# Altium PCB AutoinformerPCB.PcbDoc (part 2 of 3)
Units mm, origin at the board's own origin, x right, y up, seen from the top; angles counter-clockwise.
Board outline 176 x 90 mm, 2 copper layers (Top Layer, Bottom Layer); 272 components, 172 nets, 929 pads, 276 vias.
Unrouted connection lines stored in the file: 2.
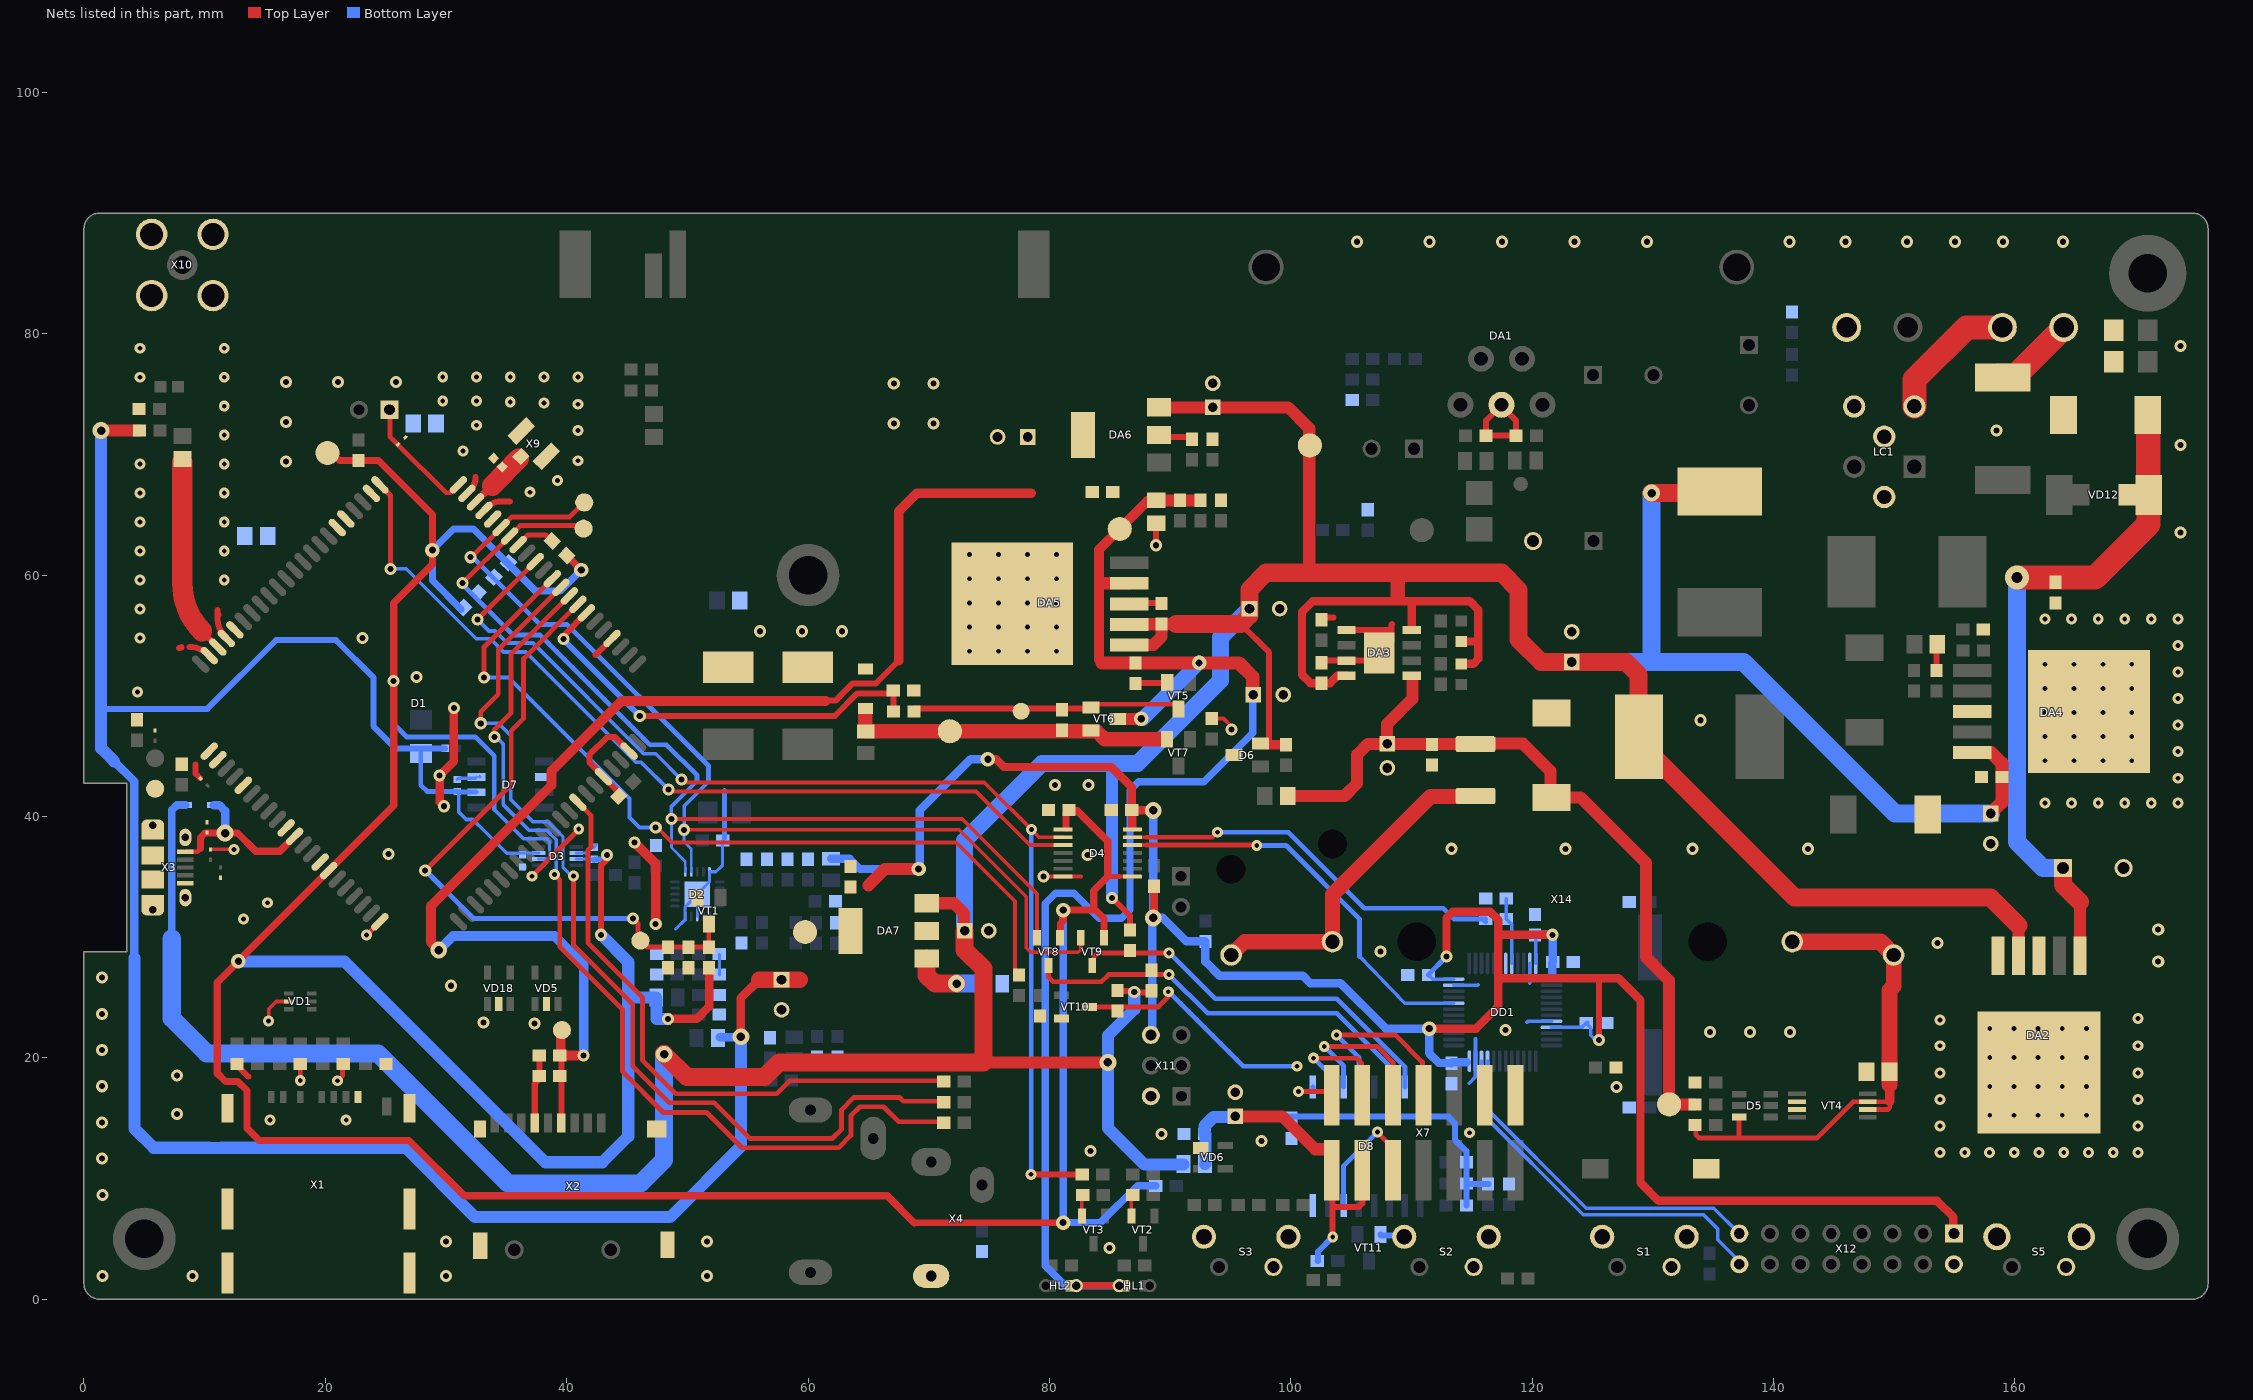
[diagram p2: the nets of this part, all layers, seen from the top]

## Part data
ANT1: library part 146200-0001(11), "LTE Cellular Ceramic Antenna 698MHz-2.7GHz , SMT", ComponentLink1Description=elitan, ComponentLink1URL=https://www.elitan.ru/price/item17428368
BC1 BC2 BC3 BC4: library part BodyConnector
C1 C11 C12 C13 C24 C28: library part C_SMD, "GRM188R60J475KE19D", ComponentLink1Description=chipdip, ComponentLink1URL=https://www.chipdip.ru/product/grm188r60j475ke19d, ComponentLink2Description=el, ComponentLink2URL=https://www.electronshik.ru/item/MUR/GRM188R60J475KE19D
C2 C3 C8 C14 C15 C16 C32 C34 C35 C40 C45 C46 C47 C48 C49 C52 C53 C54 C59 C61 C67 C68 C71 C76 C77 C79 C82: library part C_SMD, "GRM188R71H104KA93D", ComponentLink1Description=chipdip, ComponentLink1URL=https://www.chipdip.ru/product0/226236018, ComponentLink2Description=el, ComponentLink2URL=https://www.electronshik.ru/item/MUR/GRM188R71H104KA93D
C4 C6 C17 C18 C29: library part C_SMD, "GRM1885C1H100J", ComponentLink1Description=chipdip, ComponentLink1URL=https://www.chipdip.ru/product/grm1885c1h100j, ComponentLink2Description=el, ComponentLink2URL=https://www.electronshik.ru/item/MUR/GRM1885C1H100JA01D
C5 C7 C9 C50 C51: library part C_SMD, "GRM1885C1H220JA01D", ComponentLink1Description=chipdip, ComponentLink1URL=https://www.chipdip.ru/product/grm1885c1h220j, ComponentLink2Description=el, ComponentLink2URL=https://www.electronshik.ru/item/MUR/GRM1885C1H220JA01D
C10: library part C_SMD, "GRM188R71H103K", ComponentLink1Description=chipdip, ComponentLink1URL=https://www.chipdip.ru/product0/9000143994, ComponentLink2Description=el, ComponentLink2URL=https://www.electronshik.ru/item/MUR/GRM188R71H103KA01D
C19 C20 C44: library part C_SMD, "GRM1885C1H330J", ComponentLink1Description=chipdip, ComponentLink1URL=https://www.chipdip.ru/product0/565764982, ComponentLink2Description=el, ComponentLink2URL=https://www.electronshik.ru/item/MUR/GRM1885C1H330JA01D
C21: library part C_SMD, "GRM1885C1H101J", ComponentLink1Description=chipdip-100pf, ComponentLink1URL=https://www.chipdip.ru/product0/305749128, ComponentLink2Description=el, ComponentLink2URL=https://www.electronshik.ru/item/MUR/GRM1885C1H101JA01D
C22 C23 C25 C63: library part C_SMD, "GRM188R71E105KA12D", ComponentLink1Description=chipdip, ComponentLink1URL=https://www.chipdip.ru/product/grm188r71e105ka12d, ComponentLink2Description=el, ComponentLink2URL=https://www.electronshik.ru/item/MUR/GRM188R71E105KA12D
C26 C27: library part C_SMD_Tantalum, "293D477X06R3E2TE3 / Конденсатор танталовый SMD тип Е", ComponentLink1Description=470uF-10V-chipdip, ComponentLink1URL=https://www.chipdip.ru/product0/145634327?from=suggest_product, ComponentLink2Description=el, ComponentLink2URL=https://www.electronshik.ru/item/VISHAY/293D477X06R3E2TE3
C30: library part C_SMD, "GRM31MR71E105KA01L", ComponentLink1Description=chipdip, ComponentLink1URL=https://www.chipdip.ru/product/grm31mr71e105k, ComponentLink2Description=el, ComponentLink2URL=https://www.electronshik.ru/item/MUR/GRM31MR71E105KA01L
C31: library part C_SMD_Tantalum, "TAJB106K016RNJ / Конденсатор танталовый SMD 10uF 10V тип B", ComponentLink1Description=chipdip, ComponentLink1URL=https://www.chipdip.ru/product0/146061461?from=suggest_product, ComponentLink2Description=el, ComponentLink2URL=https://www.electronshik.ru/item/AVX/TAJB106K016RNJ
C33 C80 C81: library part C_SMD, "CL05B104KO5NNNC", ComponentLink1Description=chipdip, ComponentLink1URL=https://www.chipdip.ru/product1/8001849671?from=suggest_product, ComponentLink2Description=el, ComponentLink2URL=https://www.electronshik.ru/item/SAMSUNG/CL05B104KO5NNNC
C36: library part C_SMD, "CC0603KRX7R9BB393", ComponentLink1Description=chipdip, ComponentLink1URL=https://www.chipdip.ru/product0/8160066189?from=suggest_product, ComponentLink2Description=elitan, ComponentLink2URL=https://www.elitan.ru/price/item8778633, ComponentLink3Description=el, ComponentLink3URL=https://www.electronshik.ru/item/YAG/CC0603KRX7R9BB393
C37: library part K50-35, "Конденсатор электролитический алюминиевый 470мкФ, 16В 8х12мм Р:3.5мм", ComponentLink1Description=chipdip, ComponentLink1URL=https://www.chipdip.ru/product0/9000565914
C38 C39: library part K50-35, "Конденсатор электролитический алюминиевый 1000мкФ, 16В, 10x21мм", ComponentLink1Description=chipdip, ComponentLink1URL=https://www.chipdip.ru/product0/9000565765?from=suggest_product
C41: library part C_SMD, "GRM21A5C2E220J", ComponentLink1Description=chipdip, ComponentLink1URL=https://www.chipdip.ru/product0/29844, ComponentLink2Description=el, ComponentLink2URL=https://www.electronshik.ru/item/MUR/GRM21A5C2E220JW01D
C42 C43: library part C_SMD, "0603 SMD Capacitor"
C55: library part C_SMD, "C1206C101KGRACAUTO (CC1206JKNPODBN101)", ComponentLink1Description=elitan, ComponentLink1URL=https://www.elitan.ru/price/item16896874, ComponentLink2Description=el, ComponentLink2URL=https://www.electronshik.ru/item/KEM/C1206C101KGRACAUTO, ComponentLink3Description=el2, ComponentLink3URL=https://www.electronshik.ru/item/YAG/CC1206JKNPODBN101
C56: library part K50-35, "SH050M0220B5S-1012 ECAP 10*12 / Конденсатор электролитический алюминиевый", ComponentLink1Description=chipdip, ComponentLink1URL=https://www.chipdip.ru/product0/9000565903, ComponentLink2Description=el, ComponentLink2URL=https://www.electronshik.ru/item/YAG/SH050M0220B5S-1012
C57 C64: library part C_SMD, "GRM188R61E106M", ComponentLink1Description=chipdip, ComponentLink1URL=https://www.chipdip.ru/product/grm188r61e106m, ComponentLink2Description=el, ComponentLink2URL=https://www.electronshik.ru/item/MUR/GRM188R61E106MA73D
C58: library part K50-35, "ECA1CM221 6.3x11 P:2,5мм Конденсатор электролитический алюминиевый", ComponentLink1Description=chipdip, ComponentLink1URL=https://www.chipdip.ru/product0/9000565899, ComponentLink2Description=el, ComponentLink2URL=https://www.electronshik.ru/item/PAN/ECA1CM221
C60 C69 C74 C75: library part K50-35, "ECA0JHG221 5x11мм Р:2,5мм Конденсатор электролитический алюминиевый", ComponentLink1URL=https://www.chipdip.ru/product0/9000261774?from=suggest_product, ComponentLink2Description=el, ComponentLink2URL=https://www.electronshik.ru/item/PAN/ECA0JHG221
  C60: ComponentLink1Description=chipdip
  C69 C74 C75: ComponentLink1Description="(К50-35 мини), 220 мкФ, 6.3 В, 6.3х7мм"
C62: library part K50-35, "SH016M0100A2F-0511 5x11мм Конденсатор электролитический алюминиевый", ComponentLink1Description=chipdip, ComponentLink1URL=https://www.chipdip.ru/product0/9000565888, ComponentLink2Description=el, ComponentLink2URL=https://www.electronshik.ru/item/YAG/SH016M0100A2F-0511
C65 C78: library part K50-35, "Конденсатор электролитический алюминиевый 33 мкФ, 6.3 В, 4х7мм", ComponentLink1Description="(К50-35 мини), 33 мкФ, 6.3 В, 4х7мм", ComponentLink1URL=https://www.chipdip.ru/product0/9000261769
C66: library part C_SMD, "C1608X7R1H474K080AC", ComponentLink1Description=chipdip, ComponentLink1URL=https://www.chipdip.ru/product0/8576565346, ComponentLink2Description=el, ComponentLink2URL=https://www.electronshik.ru/item/TDK/C1608X7R1H474K080AC
C70: library part K50-35, "Конденсатор электролитический алюминиевый 680мкФ, 25В, 10х16мм Р:5мм", ComponentLink1Description=chipdip, ComponentLink1URL=https://www.chipdip.ru/product0/9000565919
C72 C73: library part K50-35, "Конденсатор электролитический алюминиевый", ComponentLink1Description=chipdip-mini, ComponentLink1URL=https://www.chipdip.ru/product0/46079?from=suggest_product, ComponentLink2Description=chipdip, ComponentLink2URL=https://www.chipdip.ru/product0/9000565886
D1: "Multi-Band LTE-TDD/LTE-FDD/HSPA+ and GSM/GPRS/EDGE module", Package=None, Availability=Unavailable, ComponentLink1Description=mt-systems, ComponentLink1URL=http://www.mt-system.ru/SIMCom/SIM7600E-H, MF=Simcom, MP=SIM7600E-H, Price=None, SnapEDA_Link=https://www.snapeda.com/parts/SIM7600E-H/SIMcom%20Wireless%20solutions%20Co.%2CLtd/view-part/2758290/?ref=snap
D2: "AUDIO CODEC MONO 20QFN", Digikey Part Number=NAU8810YG-ND, Manufacturer="Nuvoton Technology Corporation", Package=QFN20, Temperature="-40°C to +85°C", Temperature Range High=+85°C, Temperature Range Low=-40°C, Voltage=3.6V, ComponentLink1Description=Upverter, ComponentLink1URL=https://upverter.com/upn/revision/eec1ccdac07fe113/, ComponentLink2Description=Datasheet, ComponentLink2URL=http://www.nuvoton.com/hq/resource-download.jsp?tp_GUID=DA00-NAU8810.1, ComponentLink3Description=elitan, ComponentLink3URL=https://www.elitan.ru/price/index.php?find=NAU8810YG&delay=-1&mfg=all&seenform=y, Digikey Description="IC AUDIO CODEC MONO 20QFN", helpURL=https://upverter.com/upn/revision/eec1ccdac07fe113/, Ipc Land Pattern Name=QFN50P400X400X75-20, Lead Free=yes, RoHS=TRUE, Supplier 1=Digi-Key, Supplier 2=Mouser, Supplier Part Number 1=NAU8810YG-ND
D3: library part TXB0102, "Voltage Level Translator Bidirectional 1 Circuit 2 Channel 100Mbps 8-VSSOP", Package="VFSOP-8 Texas Instruments", Availability=Unavailable, ComponentLink1Description=elitan, ComponentLink1URL=https://www.elitan.ru/price/item692394, ComponentLink2Description=chipdip, ComponentLink2URL=https://www.chipdip.ru/product0/8002872138?from=suggest_product, ComponentLink3Description=electronshik, ComponentLink3URL=https://www.electronshik.ru/item/TI/TXB0102DCUR, MF="Texas Instruments", MP=TXB0102, Price=None, SnapEDA_Link=https://www.snapeda.com/parts/TXB0102/Texas%20Instruments/view-part/547662/?ref=snap
D4: "4-Bit Bidirectional Voltage-Level Shifter with Auto Direction Sensing and +/-15 kV ESD Protect 14-TSSOP -40 to 85", Package="TSSOP-14 Texas Instruments", Availability=Unavailable, ComponentLink1Description=elitan, ComponentLink1URL=https://www.elitan.ru/price/item703962, MF="Texas Instruments", MP=TXB0104PWR, Price=None, SnapEDA_Link=https://www.snapeda.com/parts/TXB0104PWR/Texas%20Instruments/view-part/1077120/?ref=snap, Texas_Instruments-Purchase-URL=https://snapeda.com/shop?store=Texas+Instruments&id=1077120
D5: "Pushbutton Switch SPST-NC Standard Panel Mount, Front", Package="Package Analog Devices", Availability=Unavailable, ComponentLink1Description=elitan, ComponentLink1URL=https://www.elitan.ru/price/item379006536, ComponentLink2Description=electronshik, ComponentLink2URL=https://www.electronshik.ru/item/FUMAN/DW01A, MF="Fortune Semiconductor", MP=DW01A, Price=None, SnapEDA_Link=https://www.snapeda.com/parts/DW01A/Fortune%20Semiconductor/view-part/4388554/?ref=snap
D6: "4.50 V 150 ms Microcontroller Supervisory Circuit - SOT-23-3", Package="SOT-23 Microchip", Availability=Unavailable, ComponentLink1Description=elitan, ComponentLink1URL=https://www.elitan.ru/price/item505438, ComponentLink2Description=electronshik, ComponentLink2URL=https://www.electronshik.ru/item/MCRCH/MCP130T-450I%3A%3ATT, MF=Microchip, MP=MCP130T-315I/TT, Price=None, SnapEDA_Link=https://www.snapeda.com/parts/MCP130T-315I/TT/Microchip/view-part/12206/?ref=snap
D7: "PLL Clock Multiplier Single 8-Pin SOIC 3 V ~ 5.25 V", ComponentLink1Description=elitan, ComponentLink1URL=https://www.elitan.ru/price/item9787428, ComponentLink2Description=electronshik, ComponentLink2URL=https://www.electronshik.ru/item/ONS/NB3N501DG
D8: "8-bit I/O expander for I2C bus with interrupt / PCF8574(A)T/3 - 100kHz version / PCA8574(A)D - 400kHz version", Package=None, Availability=Unavailable, ComponentLink1Description=elitan, ComponentLink1URL=https://www.elitan.ru/price/item981552, ComponentLink2Description="elitan - pca8574D", ComponentLink2URL=https://www.elitan.ru/price/item537810, MF="NXP Semiconductors", MP=PCF8574AT, Price=None, SnapEDA_Link=https://www.snapeda.com/parts/PCF8574AT/NXP%20Semiconductors/view-part/4220694/?ref=snap
DA1: "Amplifier IC 1-Channel _Mono_ Class AB 5-PENTAWATT 10W", Package="Pentawatt-5 STMicroelectronics", Availability=Unavailable, ComponentLink1Description=elitan, ComponentLink1URL=https://www.elitan.ru/price/item123031, ComponentLink2Description=chipdip, ComponentLink2URL=https://www.chipdip.ru/product/tda2003v?from=suggest_product, ComponentLink3Description=chipdip-radiator, ComponentLink3URL=https://www.chipdip.ru/product/hs-117-30, MF=STMicroelectronics, MP=TDA2003V, Price=None, SnapEDA_Link=https://www.snapeda.com/parts/TDA2003V/STMicroelectronics/view-part/39407/?ref=snap
DA2: library part LM2576S, "Импульсный понижающий регулятор напряжения, 5В, 3А, [TO-263]", ComponentLink1Description=5V-chipdip, ComponentLink1URL=https://www.chipdip.ru/product/lm2576sx-5.0-nopb, ComponentLink2Description=5V-elitan, ComponentLink2URL=https://www.elitan.ru/price/item100181
DA3: "Li-lon Battery Charger  1A Standalone Linear with Thermal Regulation in SOP-8", Manufacturer_Name="NanJing Top Power", ComponentLink1Description=elitan, ComponentLink1URL=https://www.elitan.ru/price/item26170288, ComponentLink2Description=electonshik, ComponentLink2URL=https://www.electronshik.ru/item/YOUTAI/TP4056, Datasheet Link=https://dlnmh9ip6v2uc.cloudfront.net/datasheets/Prototyping/TP4056.pdf, Height=1.75mm, Manufacturer_Part_Number=TP4056
DA4: "Преобразователь постоянного тока повышающий 3 А вход 3.5...40В выход 5...60В -40...+125°С", ComponentLink1Description=elitan, ComponentLink1URL=https://www.elitan.ru/price/item100192
DA5: "3A Fast Response LDO Regulator / Operating Input Voltage Range: 3V to 16V / 1.24V to 15V Adjustable Output Voltage", ComponentLink1Description=elitan, ComponentLink1URL=https://www.elitan.ru/price/item637427, ComponentLink2Description=chipdip, ComponentLink2URL=https://www.chipdip.ru/product0/8000649332, ComponentLink3Description=electronshik, ComponentLink3URL=https://www.electronshik.ru/item/MCRCH/MIC29302WU
DA6: "LDO +1.25...13.8 В, 1А [SOT-223] / Линейный регулятор с низким падением напряжения, Максимальное входное напряжение, 20 В", ComponentLink1Description=chipdip, ComponentLink1URL=https://www.chipdip.ru/product/lm1117gs-adj, ComponentLink2Description=elitan, ComponentLink2URL=https://www.elitan.ru/price/item21580115
DA7: "LDO +3.3 В, 1А [SOT-223] / Линейный регулятор с низким падением напряжения, Максимальное входное напряжение, 20 В", ComponentLink1Description=chipdip, ComponentLink1URL=https://www.chipdip.ru/product/lm1117gs-3.3, ComponentLink2Description=elitan, ComponentLink2URL=https://www.elitan.ru/price/item21580113
DD1: "Analog - STM32L071C8T6 /  / Микроконтроллер 32-Бит, Cortex-M3, 32МГц, 128КБ Flash, LCD, USB, ADC, DAC [LQFP-48]", I/Os (High Current)=37, Operating Frequency(F) (Processor speed) (MHz)=72, PartNumber=STM32F103C8T6, Supplier Part Number 1=497-6063-ND, Supply Voltage(Vcc) min (V)=2, A/D Converter="2x12-bit (10 Channel)", ComponentLink1Description=elitan, ComponentLink1URL=https://www.elitan.ru/price/item11268663, ComponentLink2Description=chipdip, ComponentLink2URL=https://www.chipdip.ru/product/stm32l151cbt6a-2, Core="ARM Cortex-M3", DatasheetVersion="Rev. 16", FLASH Size (Prog) (kB)=64, Internal RAM Size (kB)=20, Mounting Technology="Surface Mount", PackageDescription="48-Pin Low Profile Quad Flat Package, 7 x 7 mm Body, 0.5 mm Pitch", PackageReference=LQFP48, PackageVersion="Rev. 6, 06/2013", Packing=Tray, Supplier 1=Digi-Key, Supplier 2=Farnell, Supplier 3=Newark, Supplier 4=Newark, Supplier 5=Mouser, Supplier Part Number 2=1447637, Supplier Part Number 3=59M2182, Supplier Part Number 4=57P1222, Supplier Part Number 5=511-STM32F103C8T6
F1: "Самовосстанавливающийся предохранитель PTC 1.8A(hold) 3.6A(trip) 33VDC 40A 1.9W 5s 0.04Ohm SMD 3425 Solder Pad 9.5 X 6.71 X 3mm", ComponentLink1Description=elitan, ComponentLink1URL=https://www.elitan.ru/price/item781521, ComponentLink2Description=chipdip, ComponentLink2URL=https://www.chipdip.ru/product0/8001787493?from=suggest_product
F2: "Предохранитель SMD 6 VDC 2.5 A", ComponentLink1Description=elitan, ComponentLink1URL=https://www.elitan.ru/price/item387111
HL1: library part LED_SMD, "Vf =2 V, 20mA, 0603 (HL-PST-1608S31YC)", ComponentLink1Description=chipdip-yellow-smd, ComponentLink1URL=https://www.chipdip.ru/product/to-1608bc-myf?from=suggest_product, ComponentLink2Description=chipdip-orange-thr3mm, ComponentLink2URL=https://www.chipdip.ru/product/gnl-3012ed, ComponentLink3Description=el, ComponentLink3URL=https://www.electronshik.ru/item/HONGLI/HL-PST-1608S31YC
HL2: library part LED_SMD, "Vf =2 V, 20mA, 0603 (HL-PST-1608S9AC)", ComponentLink1Description=chipdip-red-smd, ComponentLink1URL=https://www.chipdip.ru/product/to-1608bc-mre?from=suggest_product, ComponentLink2Description=elitan-red-smd, ComponentLink2URL=https://www.elitan.ru/price/item16986056, ComponentLink3Description=chipdip-orange-thr3mm, ComponentLink3URL=https://www.chipdip.ru/product/gnl-3012ed, ComponentLink4Description=el, ComponentLink4URL=https://www.electronshik.ru/item/HONGLI/HL-PST-1608S9AC-04
HL3: library part LED_SMD, "Vf =3.3V, 20mA, 0603 (HL-PST-1608U51GC)", ComponentLink1Description=chipdip-green-smd, ComponentLink1URL=https://www.chipdip.ru/product/to-1608bc-pg?from=suggest_product, ComponentLink2Description=elitan-green-smd, ComponentLink2URL=https://www.elitan.ru/price/item16986058, ComponentLink3Description=el, ComponentLink3URL=https://www.electronshik.ru/item/HONGLI/HL-PST-1608U51GC
HL4: library part LED_SMD, "Vf =3.3V, 20mA, 0603 (HL-PST-1608H203BC)", ComponentLink1Description=chipdip-blue-smd, ComponentLink1URL=https://www.chipdip.ru/product/to-1608bc-bf?from=suggest_product, ComponentLink2Description=elitan-blue-smd, ComponentLink2URL=https://www.elitan.ru/price/item16986057, ComponentLink3Description=el, ComponentLink3URL=https://www.electronshik.ru/item/HONGLI/HL-PST-1608H203BC
IND1: library part BLM21PG221SN1D, "0805, Дроссель подавления ЭМП 120Ohm 25% 100MHz 3A", ComponentLink1Description=120Ohm-3A-chipdip, ComponentLink1URL=https://www.chipdip.ru/product0/8228217893, ComponentLink2Description=120Ohm-3A-elitan, ComponentLink2URL=https://www.elitan.ru/price/item1364359
IND2 IND3 IND4 IND8 IND9: library part BLM21PG221SN1D, "0805, Дроссель подавления ЭМП 1KOhm 25% 100MHz 1.6A 0.12Ohm", ComponentLink1Description=chipdip, ComponentLink1URL=https://www.chipdip.ru/product/blm21sp102sn1d, ComponentLink2Description=elitan, ComponentLink2URL=https://www.elitan.ru/price/item21298136
IND5 IND7: "0805, Дроссель подавления ЭМП 220Ohm +25% 100MHz 2A 45mOhm", ComponentLink1Description=chipdip, ComponentLink1URL=https://www.chipdip.ru/product/blm21pg221sn1d, ComponentLink2Description=elitan, ComponentLink2URL=https://www.elitan.ru/price/item305175
IND6: library part BLM21PG221SN1D, "0805, Дроссель подавления ЭМП 100МГц:30Ом; 3А", ComponentLink1Description=chipdip, ComponentLink1URL=https://www.chipdip.ru/product/blm21pg300sn1d, ComponentLink2Description=elitan, ComponentLink2URL=https://www.elitan.ru/price/item310735
L1: "Чип индуктивность многослойная неэкранированная 47нГн 5% 100МГц / Maximum DC Current 300 mA / Maximum DC Resistance 700 mOhms", ComponentLink1Description=elitan, ComponentLink1URL=https://www.elitan.ru/price/item307313, ComponentLink2Description=chipdip, ComponentLink2URL=https://www.chipdip.ru/product/lqg18hn47nj?from=suggest_product
L2: "SMD индуктивность проволочная, на ферритовом сердечнике, экранированная 33uH 15% 1KHz 23Q-Factor Ferrite 2.8A 62mOhm", ComponentLink1Description=chipdip, ComponentLink1URL=https://www.chipdip.ru/product/srr1208-330yl?from=suggest_product, ComponentLink2Description=elitan, ComponentLink2URL=https://www.elitan.ru/price/item319349
L3: library part SRR1208-330YL, "SMD индуктивность проволочная, на ферритовом сердечнике, экранированная 33uH 15% 1KHz 23Q-Factor Ferrite 2.8A 62mOhm", ComponentLink1Description=chipdip, ComponentLink1URL=https://www.chipdip.ru/product1/8002012849?from=suggest_product, ComponentLink2Description=elitan, ComponentLink2URL=https://www.elitan.ru/price/item782382
LC1: "EMI фильтр индуктивно-емкостной 10A 150VDC 40дБ", ComponentLink1Description=elitan, ComponentLink1URL=https://www.elitan.ru/price/item279156, ComponentLink2Description=chipdip, ComponentLink2URL=https://www.chipdip.ru/product/bnx003-01?from=suggest_product
N1: "Print on PCB mask"
N2: library part SerialNumber, "Board Serial Number Placement"
R1 R2 R8 R9 R10 R11 R12 R13 R25 R32 R78: library part R_SMD, "RC0603JR-070RL", ComponentLink1Description=chipdip, ComponentLink1URL=https://www.chipdip.ru/product0/9000070541, ComponentLink2URL=https://www.electronshik.ru/item/YAG/RC0603JR-070RL
  R1: ComponentLink2Description=electronsshik
  R2 R9 R10 R11 R12 R13 R25 R32 R78: ComponentLink2Description=el
  R8: ComponentLink2Description=electronshik
R3 R73: library part R_SMD, "RC0603FR-0768RL", ComponentLink1Description=chipdip, ComponentLink1URL=https://www.chipdip.ru/product0/9000079612, ComponentLink2Description=el, ComponentLink2URL=https://www.electronshik.ru/item/YAG/RC0603FR-0768RL
R4 R5 R6 R27 R28 R31 R34 R35 R36 R38 R46 R47 R48 R49 R62 R74 R75 R79 R80 R81 R82: library part R_SMD, "RC0603FR-0710KL (CRCW060310K0FKEA)"
  R4 R5 R6 R34: ComponentLink1Description=chipdip, ComponentLink1URL=https://www.chipdip.ru/product0/9000079736, ComponentLink2Description=electronshik, ComponentLink2URL=https://www.electronshik.ru/item/VISHAY/CRCW060310K0FKEA
  R27 R28 R31 R35 R36 R38 R46 R47 R48 R49 R74 R75 R79 R80 R81 R82: ComponentLink1Description=chipdip, ComponentLink1URL=https://www.chipdip.ru/product0/9000079736, ComponentLink2Description=el, ComponentLink2URL=https://www.electronshik.ru/item/VISHAY/CRCW060310K0FKEA
  R62: ComponentLink1Description=el, ComponentLink1URL=https://www.electronshik.ru/item/VISHAY/CRCW060310K0FKEA
R14 R15 R16: library part R_SMD, "RC0603FR-0722RL (RC0603JR-0722RL)", ComponentLink1Description=chipdip, ComponentLink1URL=https://www.chipdip.ru/product0/9000079564, ComponentLink2Description=electronshik, ComponentLink2URL=https://www.electronshik.ru/item/FENGHUA/0603%20-22%20%D0%9E%D0%BC%205%25%20RC0603JR-0722RL%20%5BRS-03K220JT%5D
R17 R20 R21 R26 R29 R39: library part R_SMD, "RC0603FR-072K2L", ComponentLink1Description=chipdip, ComponentLink1URL=https://www.chipdip.ru/product0/9000079720, ComponentLink2Description=el, ComponentLink2URL=https://www.electronshik.ru/item/YAG/RC0603FR-072K2L
R18 R19 R55 R64 R67: library part R_SMD, "RC0603FR-071KL", ComponentLink1Description=chipdip, ComponentLink1URL=https://www.chipdip.ru/product0/9000079676, ComponentLink2Description=el, ComponentLink2URL=https://www.electronshik.ru/item/YAG/RC0603FR-071KL
R22 R23 R24 R44 R68: library part R_SMD, "RC0805JR-070RL", ComponentLink1Description=chipdip, ComponentLink1URL=https://www.chipdip.ru/product0/153356071, ComponentLink2Description=el, ComponentLink2URL=https://www.electronshik.ru/item/YAG/RC0805JR-070RL
R30 R40: library part R_SMD, "RC0603FR-07360RL", ComponentLink1Description=chipdip, ComponentLink1URL=https://www.chipdip.ru/product0/9000079629, ComponentLink2Description=el, ComponentLink2URL=https://www.electronshik.ru/item/YAG/RC0603FR-07360RL
R33: library part R_SMD, "RC0603FR-0722KL", ComponentLink1Description=chipdip, ComponentLink1URL=https://www.chipdip.ru/product0/9000079744, ComponentLink2Description=electronshik, ComponentLink2URL=https://www.electronshik.ru/item/YAG/RC0603FR-0722KL
R37: library part R_SMD, "RC0603FR-0739RL", ComponentLink1Description=chipdip, ComponentLink1URL=https://www.chipdip.ru/product0/9000079606, ComponentLink2Description=el, ComponentLink2URL=https://www.electronshik.ru/item/YAG/RC0603FR-0739RL
R41: library part R_SMD, "RC0603FR-0743RL", ComponentLink1Description=chipdip, ComponentLink1URL=https://www.chipdip.ru/product0/9000079607, ComponentLink2Description=el, ComponentLink2URL=https://www.electronshik.ru/item/YAG/RC0603FR-0743RL
R42: library part R_SMD, "RC0603FR-072R2L", ComponentLink1Description=chipdip, ComponentLink1URL=https://www.chipdip.ru/product0/9000079549, ComponentLink2Description=el, ComponentLink2URL=https://www.electronshik.ru/item/YAG/RC0603FR-072R2L
R43: library part R_SMD, "RC0603FR-071RL", ComponentLink1Description=chipdip, ComponentLink1URL=https://www.chipdip.ru/product0/9000079509, ComponentLink2Description=el, ComponentLink2URL=https://www.electronshik.ru/item/YAG/RC0603FR-071RL
R45: library part R_SMD, "RC0603FR-0710RL", ComponentLink1Description=chipdip, ComponentLink1URL=https://www.chipdip.ru/product0/9000079557, ComponentLink2Description=el, ComponentLink2URL=https://www.electronshik.ru/item/YAG/RC0603FR-0710RL
R50: library part R_SMD, "RC1206JR-071ML", ComponentLink1Description=chipdip, ComponentLink1URL=https://www.chipdip.ru/product0/690816980, ComponentLink2Description=el, ComponentLink2URL=https://www.electronshik.ru/item/YAG/RC1206JR-071ML
R51: library part R_SMD, "RC0603FR-0718KL", ComponentLink1Description=chipdip, ComponentLink1URL=https://www.chipdip.ru/product0/9000079742, ComponentLink2Description=el, ComponentLink2URL=https://www.electronshik.ru/item/YAG/RC0603FR-0718KL
R52: library part R_SMD, "RC0603FR-073K9L", ComponentLink1Description=chipdip, ComponentLink1URL=https://www.chipdip.ru/product0/9000079726?from=suggest_product, ComponentLink2Description=el, ComponentLink2URL=https://www.electronshik.ru/item/YAG/RC0603FR-073K9L
R53: library part WSC45272R000FEA, "WSC45272R000FEA SMD чип резистор, с проволочной обмоткой, 4527, 2 Ом, Серия WSC, 2 Вт", ComponentLink1Description=chipdip, ComponentLink1URL=https://www.chipdip.ru/product/wsc45272r000fea?from=suggest_product, ComponentLink2Description=elitan, ComponentLink2URL=https://www.elitan.ru/price/item572273
R54: library part R_SMD, "RC0603FR-071K2L", ComponentLink1Description=chipdip, ComponentLink1URL=https://www.chipdip.ru/product0/9000079678, ComponentLink2Description=el, ComponentLink2URL=https://www.electronshik.ru/item/YAG/RC0603FR-071K2L
R56: library part R_SMD, "RC0603FR-07100RL", ComponentLink1Description=chipdip, ComponentLink1URL=https://www.chipdip.ru/product0/9000079616, ComponentLink2Description=el, ComponentLink2URL=https://www.electronshik.ru/item/YAG/RC0603FR-07100RL
R57: library part R_SMD, "RC0603FR-0716KL", ComponentLink1Description=chipdip, ComponentLink1URL=https://www.chipdip.ru/product0/9000079741, ComponentLink2Description=el, ComponentLink2URL=https://www.electronshik.ru/item/YAG/RC0603FR-0716KL
R58: library part R_SMD, "RC0603FR-071K5L", ComponentLink1Description=chipdip, ComponentLink1URL=https://www.chipdip.ru/product0/9000079716?from=suggest_product, ComponentLink2Description=el, ComponentLink2URL=https://www.electronshik.ru/item/YAG/RC0603FR-071K5L
R59 R63: library part R_SMD, "RC0603FR-07100KL", ComponentLink1Description=chipdip, ComponentLink1URL=https://www.chipdip.ru/product0/9000079760, ComponentLink2Description=el, ComponentLink2URL=https://www.electronshik.ru/item/YAG/RC0603FR-07100KL
R60: library part R_SMD, "RC0603FR-0747KL", ComponentLink1Description=chipdip, ComponentLink1URL=https://www.chipdip.ru/product0/9000079752, ComponentLink2Description=el, ComponentLink2URL=https://www.electronshik.ru/item/YAG/RC0603FR-0747KL
R61: library part R_SMD, "RC0805FR-07470RL", ComponentLink1Description=chipdip, ComponentLink1URL=https://www.chipdip.ru/product0/9000079478, ComponentLink2Description=el, ComponentLink2URL=https://www.electronshik.ru/item/YAG/RC0805FR-07470RL
R65: library part R_SMD, "RC0603FR-071K3L", ComponentLink1Description=chipdip, ComponentLink1URL=https://www.chipdip.ru/product0/9000079679, ComponentLink2Description=el, ComponentLink2URL=https://www.electronshik.ru/item/YAG/RC0603FR-071K3L
R66: library part R_SMD, "RL0805FR-070R1L", ComponentLink1Description=elitan, ComponentLink1URL=https://www.elitan.ru/price/item503786, ComponentLink2Description=el, ComponentLink2URL=https://www.electronshik.ru/item/YAG/RL0805FR-070R1L
R69: library part R_SMD, "RC0603FR-073K3L", ComponentLink1Description=chipdip, ComponentLink1URL=https://www.chipdip.ru/product0/9000079724, ComponentLink2Description=el, ComponentLink2URL=https://www.electronshik.ru/item/YAG/RC0603FR-073K3L
R70: library part R_SMD, "RC0603FR-077K5L", ComponentLink1Description=chipdip, ComponentLink1URL=https://www.chipdip.ru/product0/9000079733, ComponentLink2Description=el, ComponentLink2URL=https://www.electronshik.ru/item/YAG/RC0603FR-077K5L
R71: library part R_SMD, "RC0402FR-071KL", ComponentLink1Description=chipdip, ComponentLink1URL=https://www.chipdip.ru/product0/9000189652?from=suggest_product, ComponentLink2Description=el, ComponentLink2URL=https://www.electronshik.ru/item/YAG/RC0402FR-071KL
R72: library part R_SMD, "RC1206FR-071KL", ComponentLink1Description=chipdip, ComponentLink1URL=https://www.chipdip.ru/product0/9000079635, ComponentLink2Description=el, ComponentLink2URL=https://www.electronshik.ru/item/YAG/RC1206FR-071KL
R76 R84: library part R_SMD, "RC0603FR-072KL", ComponentLink1Description=chipdip, ComponentLink1URL=https://www.chipdip.ru/product0/9000079719, ComponentLink2Description=el, ComponentLink2URL=https://www.electronshik.ru/item/YAG/RC0603FR-072KL
R77: library part R_SMD, "RC0805FR-07120RL", ComponentLink1Description=chipdip, ComponentLink1URL=https://www.chipdip.ru/product0/9000079464, ComponentLink2Description=el, ComponentLink2URL=https://www.electronshik.ru/item/YAG/RC0805FR-07120RL
R83: library part R_SMD, "RC0603FR-075K6L", ComponentLink1Description=chipdip, ComponentLink1URL=https://www.chipdip.ru/product1/8001784532, ComponentLink2Description=el, ComponentLink2URL=https://www.electronshik.ru/item/YAG/RC0603FR-075K6L
S1 S2 S3 S5: library part KLS7-TS6606-8-180, "6x6 Tact Switch Series", ComponentLink1Description=kls7-ts6606-7.0_chipdip, ComponentLink1URL=https://www.chipdip.ru/product/kls7-ts6606-7.0-180-tc-0206, ComponentLink2Description=elitan-7.0, ComponentLink2URL=https://www.elitan.ru/price/item22675038
S4: "SMD button", ComponentLink1Description=chipdip, ComponentLink1URL=https://www.chipdip.ru/product/tyco-1437566-3-fsmsm?from=suggest_product, ComponentLink2Description=elitan, ComponentLink2URL=https://www.elitan.ru/price/item565583
TP1 TP2 TP3 TP4 TP5 TP6 TP7 TP8 TP9 TP10 TP11 TP12 TP13 TP14 TP15: "Test point for PCB"
VD1: "12.5V Clamp 8A _8/20µs_ Ipp Tvs Diode Surface Mount SC-88/SC70-6/SOT-363", Package="SOT-363 ON Semiconductor", Availability=Unavailable, ComponentLink1Description=elitan, ComponentLink1URL=https://www.elitan.ru/price/item10155001, ComponentLink2Description=chipdip, ComponentLink2URL=https://www.chipdip.ru/product/smf05ct1g?from=suggest_product, MF="ON Semiconductor", MP=SMF05C, Price=None, SnapEDA_Link=https://www.snapeda.com/parts/SMF05C/ON%20Semiconductor/view-part/2782704/?ref=snap
VD2 VD3 VD4: "TVS диод защитный 5В_пиковое_рабочее 9.8В_ограничение SOD923", ComponentLink1Description=elitan, ComponentLink1URL=https://www.elitan.ru/price/index.php?find=ESD9L5.0ST5G&delay=-1&mfg=all&seenform=y, ComponentLink2Description=chipdip, ComponentLink2URL=https://www.chipdip.ru/product0/8001926257
VD5 VD18: "Сборка защитная TVS-диодов 5.25В_пиковое_ SOT23-5 / Unidirectional Channels 4 / Voltage - Reverse Standoff (Typ) 5.25V / Voltage - Breakdown (Min) 6.1V", Package="SOT-323 STMicroelectronics", Availability=Unavailable, ComponentLink1Description=elitan, ComponentLink1URL=https://www.elitan.ru/price/item317230, ComponentLink2Description=electronshik, ComponentLink2URL=https://www.electronshik.ru/item/ST/ESDA6V1SC5, ComponentLink3Description=chipdip, ComponentLink3URL=https://www.chipdip.ru/product0/8001797118?from=suggest_product, MF=STMicroelectronics, MP=ESDA6V1W5, Price=None, SnapEDA_Link=https://www.snapeda.com/parts/ESDA6V1W5/STMicroelectronics/view-part/225154/?ref=snap